# KiCad board panel2.kicad_pcb (continued)
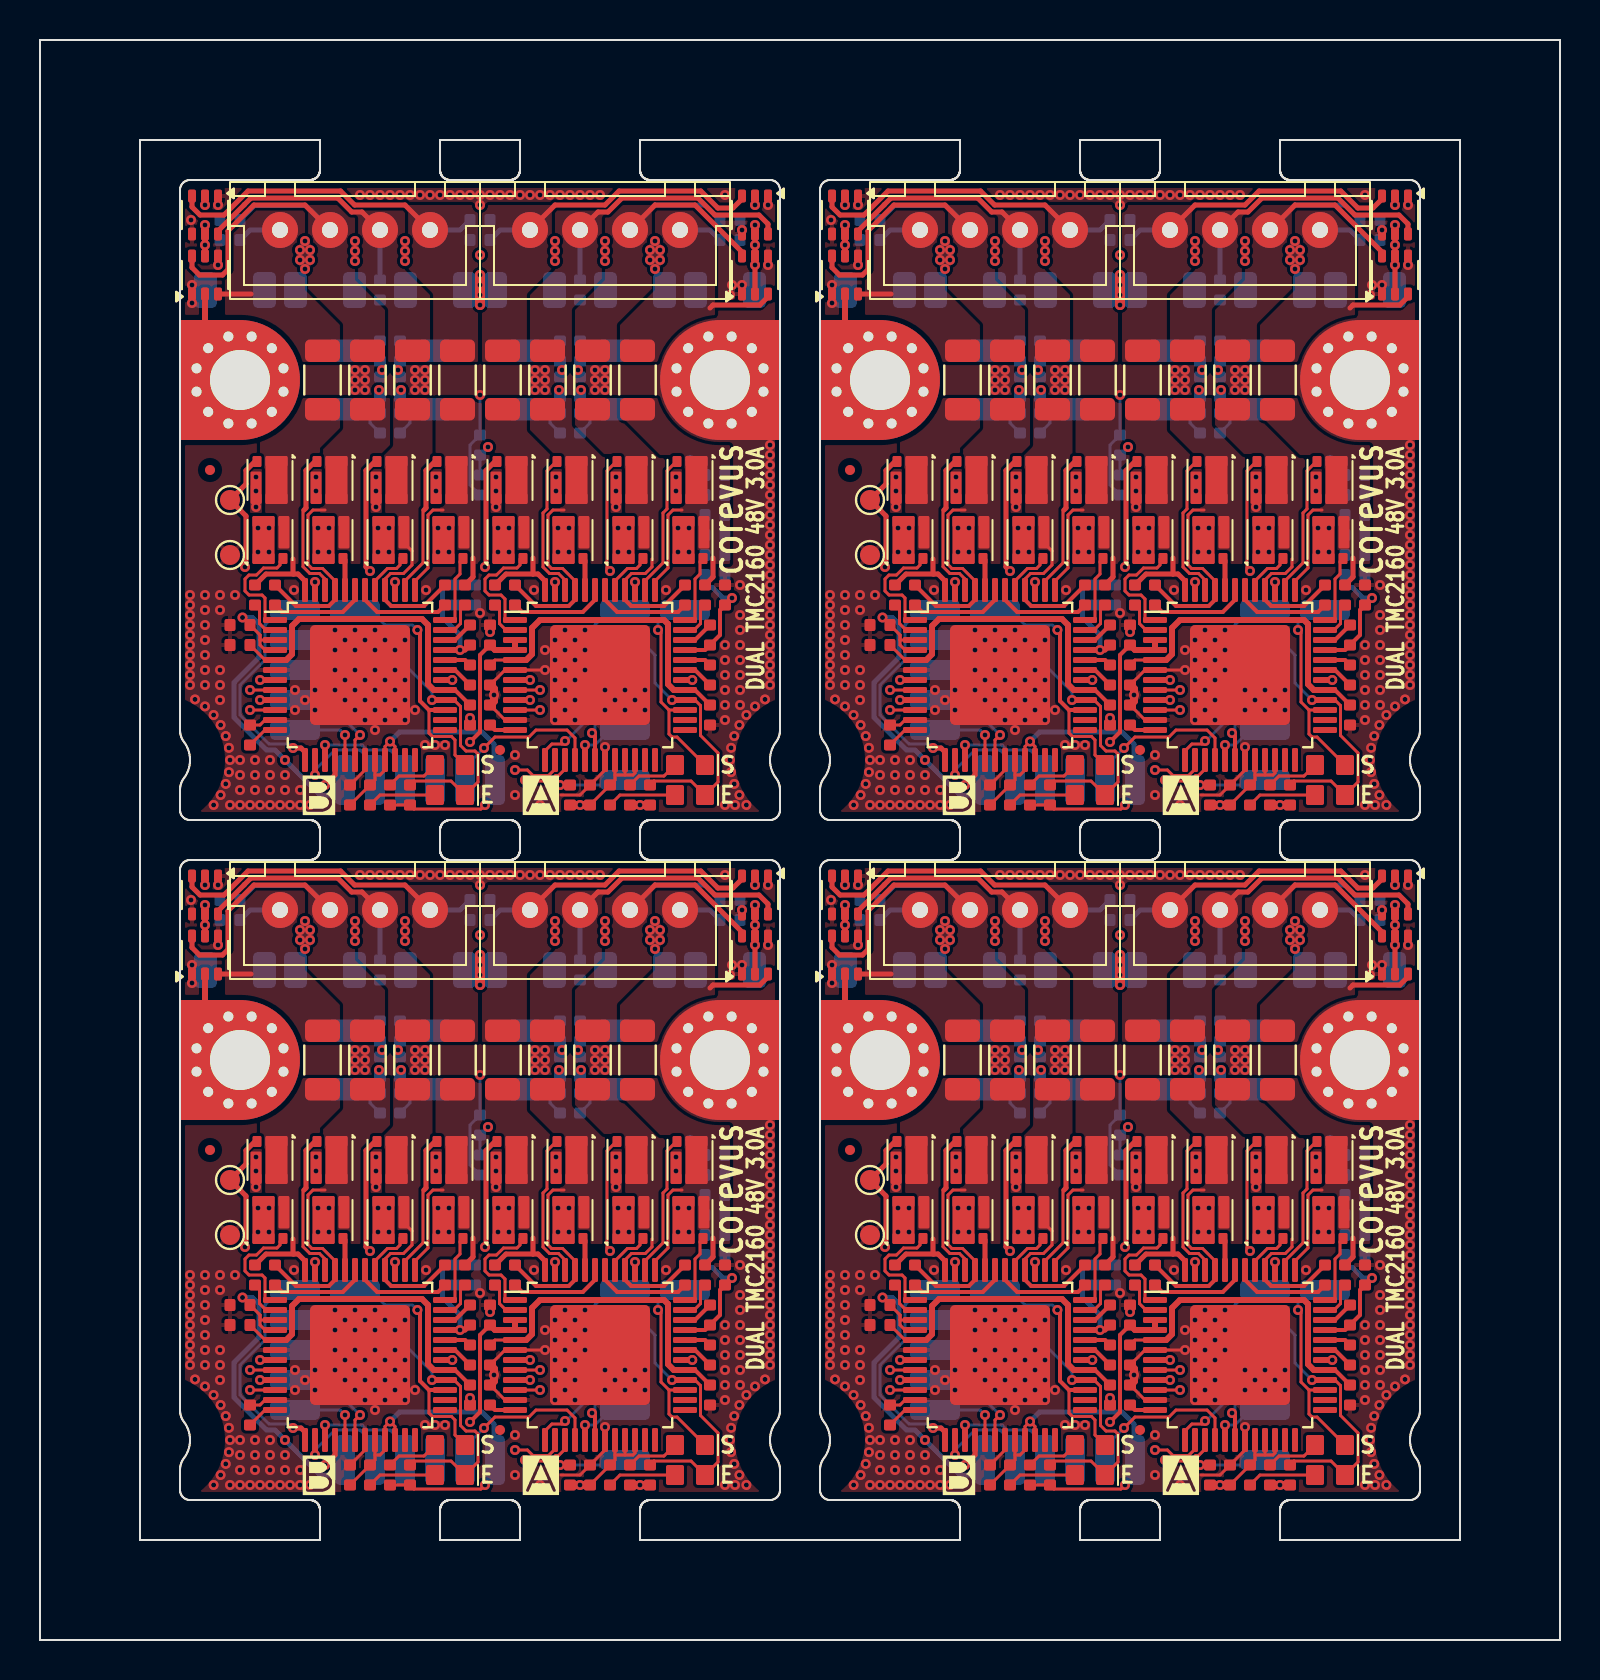
[diagram p0: board, top side]
## Routing (per net, layer and track width the routed paths; a pad name or vN(x,y) marks a point on that pad's centre or on a via; arc(x,y) is an arc through that point) (continued)
Board_3-Net-(D1-A): length 3.5
  Top w0.15: D1.2 61,8.25 R1#3.2
Board_3-Net-(D2-A): length 2.7
  Top w0.15: R16#4.2 61.95,9.2 63.2,9.2 D2#4.2
Board_3-Net-(D5-A): length 3.5
  Top w0.15: D5#2.2 49,8.25 R6.2
Board_3-Net-(D6-A): length 2.7
  Top w0.15: R7.2 49.95,9.2 51.2,9.2 D6#2.2
Board_3-Net-(NT1-Pad1): length 1.8
  Bottom w0.15: R8#4.1 57.5,26.85 57.5,27.7 NT1#2.1
Board_3-Net-(NT1-Pad2):
  vias: v1(54.8,24.15) v1(54.8,23.45) v1(54.8,22.65) v1(57.8,24.15) v1(57.8,23.45)
Board_3-Net-(NT2-Pad1): length 0.9
  Bottom w0.15: R9#2.1 57.5,30.45 NT2.1
Board_3-Net-(NT3-Pad1):
  vias: v1(60.8,24.15) v1(60.8,23.45) v1(60.8,22.65) v1(63.8,24.15) v1(63.8,23.45)
Board_3-Net-(NT3-Pad2): length 1.8
  Bottom w0.15: R11.1 59.5,26.85 59.5,27.7 NT3#2.2
Board_3-Net-(NT4-Pad2): length 0.9
  Bottom w0.15: NT4.2 59.5,30.45 R12#2.1
Board_3-Net-(NT5-Pad1): length 1.8
  Bottom w0.15: R14#3.1 48.5,26.85 48.5,27.7 NT5.1
Board_3-Net-(NT5-Pad2):
  vias: v1(42.8,24.15) v1(42.8,23.45) v1(42.8,22.65) v1(45.8,24.15) v1(45.8,23.45)
Board_3-Net-(NT6-Pad1): length 0.9
  Bottom w0.15: NT6#3.1 48.5,30.45 R15.1
Board_3-Net-(NT7-Pad1):
  vias: v1(48.8,24.15) v1(48.8,23.45) v1(48.8,22.65) v1(51.8,24.15) v1(51.8,23.45)
Board_3-Net-(NT7-Pad2): length 1.8
  Bottom w0.15: NT7#2.2 50.5,27.7 50.5,26.85 R19.1
Board_3-Net-(NT8-Pad2): length 0.9
  Bottom w0.15: NT8#4.2 50.5,30.45 R21#4.1
Board_3-Net-(U1-5VOUT): length 15.7
  Top w0.15: C4#2.2 54.75,15 U1.5
  Top w0.2: 64.75,13.5 C5#4.2
  Top w0.3: U1.5 56.31,15 56.6,15.29 56.6,16.6 57,17 63.2,17 63.4,16.8 63.4,13.79 63.69,13.5 U1.29
Board_3-Net-(U1-CA1): length 4.4
  Top w0.2: 60.25,18.01 60.86,17.4 63.9,17.4 C10#2.1
Board_3-Net-(U1-CA2): length 1.5
  Top w0.15: C11#4.1 65.03,17.53 65.03,16.82 64.71,16.5
Board_3-Net-(U1-CB1): length 1.5
  Top w0.15: 55.29,16.5 54.97,16.82 54.97,17.53 C8#4.1
Board_3-Net-(U1-CB2): length 4.4
  Top w0.2: 59.75,18.01 59.14,17.4 56.1,17.4 C9#2.1
Board_3-Net-(U1-CLK): length 1.4
  Top w0.2: U1.12 54.75,11.5 R3#2.1
Board_3-Net-(U1-CPI): length 1.4
  Top w0.2: C2#4.2 65.25,15 U1.32
Board_3-Net-(U1-CPO): length 1.1
  Top w0.2: 64.75,14.5 C2#4.1
Board_3-Net-(U1-VCP): length 1.1
  Top w0.2: 64.75,16 65.53,16.78
Board_3-Net-(U2-5VOUT): length 15.5
  Top w0.15: 43.25,15 C24#4.2
  Top w0.2: 52.75,13.5 C25.2
  Top w0.3: U2.5 44.31,15 44.6,15.29 44.6,16.7 44.95,17.05 51.1,17.05 51.4,16.75 51.4,13.79 51.69,13.5 U2.29
Board_3-Net-(U2-CA1): length 4.4
  Top w0.2: 48.25,18.01 48.86,17.4 51.9,17.4 C31#2.1
Board_3-Net-(U2-CA2): length 1.5
  Top w0.15: 52.71,16.5 53.03,16.82 53.03,17.53 C32#2.1
Board_3-Net-(U2-CB1): length 1.5
  Top w0.15: 43.29,16.5 42.97,16.82 42.97,17.53 C29#2.1
Board_3-Net-(U2-CB2): length 4.4
  Top w0.2: 47.75,18.01 47.14,17.4 44.1,17.4 C30.1
Board_3-Net-(U2-CLK): length 1.1
  Top w0.15: R5.1 43.25,11.5
Board_3-Net-(U2-CPI): length 1.4
  Top w0.2: U2.32 53.25,15 C23#4.2
Board_3-Net-(U2-CPO): length 1.1
  Top w0.2: 52.75,14.5 C23#4.1
Board_3-Net-(U2-VCP): length 1.1
  Top w0.2: 52.75,16 C22#4.1
Board_3-VCC: length 34.8
  Top w0.15: U2.22 49.75,10.67 v1(49.5,10.92) 49.25,10.67 U2.21 ; 48.75,9.25 48.75,9 R6.1 C26.2 ; 48.75,9.25 49,9.25 49.25,9.5 ; 48.75,9.25 U2.20 ; U1.21 61.25,9.25 ; 61.25,9.25 60.75,9.25 ; 61.25,9.25 61.65,9.25 61.75,9.35 U1.22 ; 60.75,9.25 60.75,9 R1#3.1 C3#3.2 v1(59,7.75) R20#3.2 ; 60.75,9.25 U1.20 ; v1(54.25,7.75) 54.05,7.55 50.7,7.55 R4#2.1 R7.1
  Top w0.4: R16#4.1 v1(62,7.75) R2#4.1 ; C3#3.2 R20#3.2
  In2.Cu w0.15: v1(62,7.75) v1(59,7.75) 57.75,7.75 57.32,8.17 56.68,8.17 56.25,7.75 v1(54.25,7.75)
  Bottom w0.15: v1(54.25,7.75) 54.75,8.25
  Bottom w0.25: v1(49.5,10.92) 49.97,11.4 54.1,11.4 54.7,10.8 54.7,9.05

## Copper pours and planes (outline as drawn; the poured copper is in the pictures)
Board_0-+48V on Top: 31.25,70.2 31.25,68.3 30.25,68.3 30.25,70.2
Board_0-+48V on Top: 13.75,70.2 13.75,68.3 12.75,68.3 12.75,70.2
Board_0-+48V on Bottom: 33.1,66.6 33.35,66.85 33.35,70.25 30.25,70.25 30.25,66.6
Board_0-+48V on Bottom: 10.9,66.6 13.75,66.6 13.75,70.25 10.65,70.25 10.65,66.85
Board_0-+48V on Bottom: 7,63 12.3,63 12.3,61.05 10.5,59.25 10.5,57.7 11.15,57.12 32.05,57.12 32.05,58.55 33.5,58.55 33.5,52.5 7,52.5
Board_0-+48V on Bottom: 23.35,66.5 23.35,68.5 20.65,68.5 20.65,66.5
Board_0-+48V on In2.Cu: 7,53.75 36.25,53.75 36.25,59.75 37,60 37,73 7,73
Board_0-/_{MA}A1 on Top: 31,59.25 31.25,59 31.25,53.8 29,53.8 29,59.25
Board_0-/_{MA}A1 on Top: 29,61.25 31.25,59 31.25,58.75 28.85,58.75 28.85,59.3 28.2,59.3 26.75,60.75 26.75,62.1 29,62.1
Board_0-/_{MA}A1' on Top: 28.25,71.75 30.75,71.75 30.75,67.5 29,65.75 29,63.9 26.75,63.9 26.75,66.5 28.25,68
Board_0-/_{MA}A2 on Top: 34.5,60 34.5,58.75 31.62,58.75 31.62,59.25 31,59.25 29,61.25 29,62.1 32.4,62.1
Board_0-/_{MA}A2 on Top: 34.5,59.25 34.5,53.8 32,53.8 32,59.25
Board_0-/_{MA}A2' on Top: 30.75,67.5 30.75,71.75 33.75,71.75 33.75,65.75 31.9,63.9 29,63.9 29,65.75
Board_0-/_{MA}B1 on Top: 25.5,59.25 25.5,53.8 23,53.8 23,59.25
Board_0-/_{MA}B1 on Top: 24.5,60.5 25.5,59.5 25.5,58.75 22.5,58.75 22.5,59.5 22.25,59.75 22.25,62.1 24.5,62.1
Board_0-/_{MA}B1' on Top: 22.1,71.75 25.75,71.75 25.75,68.5 24.5,67.25 24.5,63.9 22.1,63.9
Board_0-/_{MA}B2 on Top: 26.75,60.75 28.25,59.25 28.25,58.75 25.75,58.75 25.75,59.25 24.5,60.5 24.5,62.1 26.75,62.1
Board_0-/_{MA}B2 on Top: 28.25,59.25 28.25,53.8 26,53.8 26,59.25
Board_0-/_{MA}B2' on Top: 25.75,71.75 28.25,71.75 28.25,68 26.75,66.5 26.75,63.9 24.5,63.9 24.5,67.25 25.75,68.5
Board_0-/_{MB}A1 on Top: 19.5,59.25 19.5,53.8 17,53.8 17,59.25
Board_0-/_{MB}A1 on Top: 17.5,62.1 19.62,62.1 19.62,58.88 19.25,58.5 17,58.5 17,59.25 17.5,59.75
Board_0-/_{MB}A1' on Top: 18.25,71.75 15.75,71.75 15.75,68 17.25,66.5 17.25,63.9 19.5,63.9 19.5,67.25 18.25,68.5
Board_0-/_{MB}A2 on Top: 22.25,59.75 22.5,59.5 22.5,58.75 19.75,58.75 19.75,62.1 22.25,62.1
Board_0-/_{MB}A2 on Top: 22.5,59.25 22.5,53.8 20,53.8 20,59.25
Board_0-/_{MB}A2' on Top: 21.9,71.75 18.25,71.75 18.25,68.5 19.5,67.25 19.5,63.9 21.9,63.9
Board_0-/_{MB}B1 on Top: 13.5,59.25 13.5,53.8 11,53.8 11,59.25
Board_0-/_{MB}B1 on Top: 15,62.1 15,60.6 14,59.6 14,59.25 13.25,58.5 11,58.5 11,62.1
Board_0-/_{MB}B1' on Top: 13.25,67.5 13.25,71.75 10.75,71.75 9.25,70.25 9.25,66 11.35,63.9 15,63.9 15,65.75
Board_0-/_{MB}B2 on Top: 16.5,59.25 16.5,53.8 14,53.8 14,59.25
Board_0-/_{MB}B2 on Top: 15,62.1 17.5,62.1 17.5,59.75 16.25,58.5 14,58.5 14,59.6 15,60.6
Board_0-/_{MB}B2' on Top: 15.75,71.75 13.25,71.75 13.25,67.5 15,65.75 15,63.9 17.25,63.9 17.25,66.5 15.75,68
Board_0-GND on Top: 30,63.65 30,62.35 31.6,62.35 31.6,63.65
Board_0-GND on Top: 33.35,60.6 33.35,59.3 37,59.3 37,60.6
Board_0-GND on Top, Bottom: 37,41 37,73 7,73 7,41
Board_0-GND on In1.Cu, In2.Cu: 37,41 37,73 7,73 7,41
Board_0-GND on In2.Cu: 16.5,63.75 16.75,64 18.25,64 18.5,63.75 19.25,63.75 19.5,63.5 19.5,62.5 19.25,62.25 18.62,62.25 18.12,61.75 16.88,61.75 16.38,62.25 15.75,62.25 15.5,62.5 15.5,63.5 15.75,63.75
Board_0-GND on In2.Cu: 24.75,63.75 25.5,63.75 25.75,64 27.25,64 27.5,63.75 28.25,63.75 28.5,63.5 28.5,62.5 28.25,62.25 27.62,62.25 27.12,61.75 25.88,61.75 25.38,62.25 24.75,62.25 24.5,62.5 24.5,63.5
Board_0-Net-(NT1-Pad2) on Top: 26.1,56.8 26.1,58.55 25.5,58.55 25.5,56.8
Board_0-Net-(NT1-Pad2) on Top: 23.1,56.35 23.1,58.55 22.5,58.55 22.5,56.35
Board_0-Net-(NT1-Pad2) on Bottom: 22.25,56.62 22.5,56.38 23.12,56.38 23.88,57.12 26.75,57.12 26.75,60 26,60 26,62.1 22.25,62.1
Board_0-Net-(NT3-Pad1) on Top: 32.1,56.8 32.1,58.55 31.5,58.55 31.5,56.8
Board_0-Net-(NT3-Pad1) on Top: 29.1,56.35 29.1,58.55 28.5,58.55 28.5,56.35
Board_0-Net-(NT3-Pad1) on Bottom: 31.5,61.75 32.05,61.2 32.05,57.12 29.88,57.12 29.12,56.38 28.5,56.38 27.75,57.12 26.75,57.12 26.75,60.25 27.25,60.75 27.25,62.1 31.5,62.1
Board_0-Net-(NT5-Pad2) on Top: 14.1,56.8 14.1,58.55 13.5,58.55 13.5,56.8
Board_0-Net-(NT5-Pad2) on Top: 11.1,56.35 11.1,58.55 10.5,58.55 10.5,56.35
Board_0-Net-(NT5-Pad2) on Bottom: 12.3,60.8 10.5,59 10.5,56.38 11.12,56.38 11.88,57.12 16.5,57.12 16.5,62.1 12.3,62.1
Board_0-Net-(NT7-Pad1) on Top: 17.1,56.35 17.1,58.55 16.5,58.55 16.5,56.35
Board_0-Net-(NT7-Pad1) on Top: 20.1,56.8 20.1,58.55 19.5,58.55 19.5,56.8
Board_0-Net-(NT7-Pad1) on Bottom: 18,60 16.75,60 16.5,59.75 16.5,56.38 17.12,56.38 17.88,57.12 21.75,57.12 21.75,62.1 18,62.1
Board_1-+48V on Top: 45.75,70.2 45.75,68.3 44.75,68.3 44.75,70.2
Board_1-+48V on Top: 63.25,70.2 63.25,68.3 62.25,68.3 62.25,70.2
Board_1-+48V on Bottom: 42.9,66.6 45.75,66.6 45.75,70.25 42.65,70.25 42.65,66.85
Board_1-+48V on Bottom: 39,63 44.3,63 44.3,61.05 42.5,59.25 42.5,57.7 43.15,57.12 64.05,57.12 64.05,58.55 65.5,58.55 65.5,52.5 39,52.5
Board_1-+48V on Bottom: 65.1,66.6 65.35,66.85 65.35,70.25 62.25,70.25 62.25,66.6
Board_1-+48V on Bottom: 55.35,66.5 55.35,68.5 52.65,68.5 52.65,66.5
Board_1-+48V on In2.Cu: 39,53.75 68.25,53.75 68.25,59.75 69,60 69,73 39,73
Board_1-/_{MA}A1 on Top: 61,61.25 63.25,59 63.25,58.75 60.85,58.75 60.85,59.3 60.2,59.3 58.75,60.75 58.75,62.1 61,62.1
Board_1-/_{MA}A1 on Top: 63,59.25 63.25,59 63.25,53.8 61,53.8 61,59.25
Board_1-/_{MA}A1' on Top: 60.25,71.75 62.75,71.75 62.75,67.5 61,65.75 61,63.9 58.75,63.9 58.75,66.5 60.25,68
Board_1-/_{MA}A2 on Top: 66.5,60 66.5,58.75 63.62,58.75 63.62,59.25 63,59.25 61,61.25 61,62.1 64.4,62.1
Board_1-/_{MA}A2 on Top: 66.5,59.25 66.5,53.8 64,53.8 64,59.25
Board_1-/_{MA}A2' on Top: 62.75,67.5 62.75,71.75 65.75,71.75 65.75,65.75 63.9,63.9 61,63.9 61,65.75
Board_1-/_{MA}B1 on Top: 57.5,59.25 57.5,53.8 55,53.8 55,59.25
Board_1-/_{MA}B1 on Top: 56.5,60.5 57.5,59.5 57.5,58.75 54.5,58.75 54.5,59.5 54.25,59.75 54.25,62.1 56.5,62.1
Board_1-/_{MA}B1' on Top: 54.1,71.75 57.75,71.75 57.75,68.5 56.5,67.25 56.5,63.9 54.1,63.9
Board_1-/_{MA}B2 on Top: 58.75,60.75 60.25,59.25 60.25,58.75 57.75,58.75 57.75,59.25 56.5,60.5 56.5,62.1 58.75,62.1
Board_1-/_{MA}B2 on Top: 60.25,59.25 60.25,53.8 58,53.8 58,59.25
Board_1-/_{MA}B2' on Top: 57.75,71.75 60.25,71.75 60.25,68 58.75,66.5 58.75,63.9 56.5,63.9 56.5,67.25 57.75,68.5
Board_1-/_{MB}A1 on Top: 51.5,59.25 51.5,53.8 49,53.8 49,59.25
Board_1-/_{MB}A1 on Top: 49.5,62.1 51.62,62.1 51.62,58.88 51.25,58.5 49,58.5 49,59.25 49.5,59.75
Board_1-/_{MB}A1' on Top: 50.25,71.75 47.75,71.75 47.75,68 49.25,66.5 49.25,63.9 51.5,63.9 51.5,67.25 50.25,68.5
Board_1-/_{MB}A2 on Top: 54.25,59.75 54.5,59.5 54.5,58.75 51.75,58.75 51.75,62.1 54.25,62.1
Board_1-/_{MB}A2 on Top: 54.5,59.25 54.5,53.8 52,53.8 52,59.25
Board_1-/_{MB}A2' on Top: 53.9,71.75 50.25,71.75 50.25,68.5 51.5,67.25 51.5,63.9 53.9,63.9
Board_1-/_{MB}B1 on Top: 45.5,59.25 45.5,53.8 43,53.8 43,59.25
Board_1-/_{MB}B1 on Top: 47,62.1 47,60.6 46,59.6 46,59.25 45.25,58.5 43,58.5 43,62.1
Board_1-/_{MB}B1' on Top: 45.25,67.5 45.25,71.75 42.75,71.75 41.25,70.25 41.25,66 43.35,63.9 47,63.9 47,65.75
Board_1-/_{MB}B2 on Top: 48.5,59.25 48.5,53.8 46,53.8 46,59.25
Board_1-/_{MB}B2 on Top: 47,62.1 49.5,62.1 49.5,59.75 48.25,58.5 46,58.5 46,59.6 47,60.6
Board_1-/_{MB}B2' on Top: 47.75,71.75 45.25,71.75 45.25,67.5 47,65.75 47,63.9 49.25,63.9 49.25,66.5 47.75,68
Board_1-GND on Top: 65.35,60.6 65.35,59.3 69,59.3 69,60.6
Board_1-GND on Top: 62,63.65 62,62.35 63.6,62.35 63.6,63.65
Board_1-GND on Top, Bottom: 69,41 69,73 39,73 39,41
Board_1-GND on In1.Cu, In2.Cu: 69,41 69,73 39,73 39,41
Board_1-GND on In2.Cu: 56.75,63.75 57.5,63.75 57.75,64 59.25,64 59.5,63.75 60.25,63.75 60.5,63.5 60.5,62.5 60.25,62.25 59.62,62.25 59.12,61.75 57.88,61.75 57.38,62.25 56.75,62.25 56.5,62.5 56.5,63.5
Board_1-GND on In2.Cu: 48.5,63.75 48.75,64 50.25,64 50.5,63.75 51.25,63.75 51.5,63.5 51.5,62.5 51.25,62.25 50.62,62.25 50.12,61.75 48.88,61.75 48.38,62.25 47.75,62.25 47.5,62.5 47.5,63.5 47.75,63.75
Board_1-Net-(NT1-Pad2) on Top: 55.1,56.35 55.1,58.55 54.5,58.55 54.5,56.35
Board_1-Net-(NT1-Pad2) on Top: 58.1,56.8 58.1,58.55 57.5,58.55 57.5,56.8
Board_1-Net-(NT1-Pad2) on Bottom: 54.25,56.62 54.5,56.38 55.12,56.38 55.88,57.12 58.75,57.12 58.75,60 58,60 58,62.1 54.25,62.1
Board_1-Net-(NT3-Pad1) on Top: 64.1,56.8 64.1,58.55 63.5,58.55 63.5,56.8
Board_1-Net-(NT3-Pad1) on Top: 61.1,56.35 61.1,58.55 60.5,58.55 60.5,56.35
Board_1-Net-(NT3-Pad1) on Bottom: 63.5,61.75 64.05,61.2 64.05,57.12 61.88,57.12 61.12,56.38 60.5,56.38 59.75,57.12 58.75,57.12 58.75,60.25 59.25,60.75 59.25,62.1 63.5,62.1
Board_1-Net-(NT5-Pad2) on Top: 46.1,56.8 46.1,58.55 45.5,58.55 45.5,56.8
Board_1-Net-(NT5-Pad2) on Top: 43.1,56.35 43.1,58.55 42.5,58.55 42.5,56.35
Board_1-Net-(NT5-Pad2) on Bottom: 44.3,60.8 42.5,59 42.5,56.38 43.12,56.38 43.88,57.12 48.5,57.12 48.5,62.1 44.3,62.1
Board_1-Net-(NT7-Pad1) on Top: 52.1,56.8 52.1,58.55 51.5,58.55 51.5,56.8
Board_1-Net-(NT7-Pad1) on Top: 49.1,56.35 49.1,58.55 48.5,58.55 48.5,56.35
Board_1-Net-(NT7-Pad1) on Bottom: 50,60 48.75,60 48.5,59.75 48.5,56.38 49.12,56.38 49.88,57.12 53.75,57.12 53.75,62.1 50,62.1
Board_2-+48V on Top: 31.25,36.2 31.25,34.3 30.25,34.3 30.25,36.2
Board_2-+48V on Top: 13.75,36.2 13.75,34.3 12.75,34.3 12.75,36.2
Board_2-+48V on Bottom: 33.1,32.6 33.35,32.85 33.35,36.25 30.25,36.25 30.25,32.6
Board_2-+48V on Bottom: 7,29 12.3,29 12.3,27.05 10.5,25.25 10.5,23.7 11.15,23.12 32.05,23.12 32.05,24.55 33.5,24.55 33.5,18.5 7,18.5
Board_2-+48V on Bottom: 10.9,32.6 13.75,32.6 13.75,36.25 10.65,36.25 10.65,32.85
Board_2-+48V on Bottom: 23.35,32.5 23.35,34.5 20.65,34.5 20.65,32.5
Board_2-+48V on In2.Cu: 7,19.75 36.25,19.75 36.25,25.75 37,26 37,39 7,39
Board_2-/_{MA}A1 on Top: 31,25.25 31.25,25 31.25,19.8 29,19.8 29,25.25
Board_2-/_{MA}A1 on Top: 29,27.25 31.25,25 31.25,24.75 28.85,24.75 28.85,25.3 28.2,25.3 26.75,26.75 26.75,28.1 29,28.1
Board_2-/_{MA}A1' on Top: 28.25,37.75 30.75,37.75 30.75,33.5 29,31.75 29,29.9 26.75,29.9 26.75,32.5 28.25,34
Board_2-/_{MA}A2 on Top: 34.5,26 34.5,24.75 31.62,24.75 31.62,25.25 31,25.25 29,27.25 29,28.1 32.4,28.1
Board_2-/_{MA}A2 on Top: 34.5,25.25 34.5,19.8 32,19.8 32,25.25
Board_2-/_{MA}A2' on Top: 30.75,33.5 30.75,37.75 33.75,37.75 33.75,31.75 31.9,29.9 29,29.9 29,31.75
Board_2-/_{MA}B1 on Top: 24.5,26.5 25.5,25.5 25.5,24.75 22.5,24.75 22.5,25.5 22.25,25.75 22.25,28.1 24.5,28.1
Board_2-/_{MA}B1 on Top: 25.5,25.25 25.5,19.8 23,19.8 23,25.25
Board_2-/_{MA}B1' on Top: 22.1,37.75 25.75,37.75 25.75,34.5 24.5,33.25 24.5,29.9 22.1,29.9
Board_2-/_{MA}B2 on Top: 28.25,25.25 28.25,19.8 26,19.8 26,25.25
Board_2-/_{MA}B2 on Top: 26.75,26.75 28.25,25.25 28.25,24.75 25.75,24.75 25.75,25.25 24.5,26.5 24.5,28.1 26.75,28.1
Board_2-/_{MA}B2' on Top: 25.75,37.75 28.25,37.75 28.25,34 26.75,32.5 26.75,29.9 24.5,29.9 24.5,33.25 25.75,34.5
Board_2-/_{MB}A1 on Top: 19.5,25.25 19.5,19.8 17,19.8 17,25.25
Board_2-/_{MB}A1 on Top: 17.5,28.1 19.62,28.1 19.62,24.88 19.25,24.5 17,24.5 17,25.25 17.5,25.75
Board_2-/_{MB}A1' on Top: 18.25,37.75 15.75,37.75 15.75,34 17.25,32.5 17.25,29.9 19.5,29.9 19.5,33.25 18.25,34.5
Board_2-/_{MB}A2 on Top: 22.5,25.25 22.5,19.8 20,19.8 20,25.25
Board_2-/_{MB}A2 on Top: 22.25,25.75 22.5,25.5 22.5,24.75 19.75,24.75 19.75,28.1 22.25,28.1
Board_2-/_{MB}A2' on Top: 21.9,37.75 18.25,37.75 18.25,34.5 19.5,33.25 19.5,29.9 21.9,29.9
Board_2-/_{MB}B1 on Top: 15,28.1 15,26.6 14,25.6 14,25.25 13.25,24.5 11,24.5 11,28.1
Board_2-/_{MB}B1 on Top: 13.5,25.25 13.5,19.8 11,19.8 11,25.25
Board_2-/_{MB}B1' on Top: 13.25,33.5 13.25,37.75 10.75,37.75 9.25,36.25 9.25,32 11.35,29.9 15,29.9 15,31.75
Board_2-/_{MB}B2 on Top: 15,28.1 17.5,28.1 17.5,25.75 16.25,24.5 14,24.5 14,25.6 15,26.6
Board_2-/_{MB}B2 on Top: 16.5,25.25 16.5,19.8 14,19.8 14,25.25
Board_2-/_{MB}B2' on Top: 15.75,37.75 13.25,37.75 13.25,33.5 15,31.75 15,29.9 17.25,29.9 17.25,32.5 15.75,34
Board_2-GND on Top: 30,29.65 30,28.35 31.6,28.35 31.6,29.65
Board_2-GND on Top: 33.35,26.6 33.35,25.3 37,25.3 37,26.6
Board_2-GND on Top, Bottom: 37,7 37,39 7,39 7,7
Board_2-GND on In1.Cu, In2.Cu: 37,7 37,39 7,39 7,7
Board_2-GND on In2.Cu: 24.75,29.75 25.5,29.75 25.75,30 27.25,30 27.5,29.75 28.25,29.75 28.5,29.5 28.5,28.5 28.25,28.25 27.62,28.25 27.12,27.75 25.88,27.75 25.38,28.25 24.75,28.25 24.5,28.5 24.5,29.5
Board_2-GND on In2.Cu: 16.5,29.75 16.75,30 18.25,30 18.5,29.75 19.25,29.75 19.5,29.5 19.5,28.5 19.25,28.25 18.62,28.25 18.12,27.75 16.88,27.75 16.38,28.25 15.75,28.25 15.5,28.5 15.5,29.5 15.75,29.75
Board_2-Net-(NT1-Pad2) on Top: 23.1,22.35 23.1,24.55 22.5,24.55 22.5,22.35
Board_2-Net-(NT1-Pad2) on Top: 26.1,22.8 26.1,24.55 25.5,24.55 25.5,22.8
Board_2-Net-(NT1-Pad2) on Bottom: 22.25,22.62 22.5,22.38 23.12,22.38 23.88,23.12 26.75,23.12 26.75,26 26,26 26,28.1 22.25,28.1
Board_2-Net-(NT3-Pad1) on Top: 29.1,22.35 29.1,24.55 28.5,24.55 28.5,22.35
Board_2-Net-(NT3-Pad1) on Top: 32.1,22.8 32.1,24.55 31.5,24.55 31.5,22.8
Board_2-Net-(NT3-Pad1) on Bottom: 31.5,27.75 32.05,27.2 32.05,23.12 29.88,23.12 29.12,22.38 28.5,22.38 27.75,23.12 26.75,23.12 26.75,26.25 27.25,26.75 27.25,28.1 31.5,28.1
Board_2-Net-(NT5-Pad2) on Top: 14.1,22.8 14.1,24.55 13.5,24.55 13.5,22.8
Board_2-Net-(NT5-Pad2) on Top: 11.1,22.35 11.1,24.55 10.5,24.55 10.5,22.35
Board_2-Net-(NT5-Pad2) on Bottom: 12.3,26.8 10.5,25 10.5,22.38 11.12,22.38 11.88,23.12 16.5,23.12 16.5,28.1 12.3,28.1
Board_2-Net-(NT7-Pad1) on Top: 20.1,22.8 20.1,24.55 19.5,24.55 19.5,22.8
Board_2-Net-(NT7-Pad1) on Top: 17.1,22.35 17.1,24.55 16.5,24.55 16.5,22.35
Board_2-Net-(NT7-Pad1) on Bottom: 18,26 16.75,26 16.5,25.75 16.5,22.38 17.12,22.38 17.88,23.12 21.75,23.12 21.75,28.1 18,28.1
Board_3-+48V on Top: 45.75,36.2 45.75,34.3 44.75,34.3 44.75,36.2
Board_3-+48V on Top: 63.25,36.2 63.25,34.3 62.25,34.3 62.25,36.2
Board_3-+48V on Bottom: 42.9,32.6 45.75,32.6 45.75,36.25 42.65,36.25 42.65,32.85
Board_3-+48V on Bottom: 55.35,32.5 55.35,34.5 52.65,34.5 52.65,32.5
Board_3-+48V on Bottom: 39,29 44.3,29 44.3,27.05 42.5,25.25 42.5,23.7 43.15,23.12 64.05,23.12 64.05,24.55 65.5,24.55 65.5,18.5 39,18.5
Board_3-+48V on Bottom: 65.1,32.6 65.35,32.85 65.35,36.25 62.25,36.25 62.25,32.6
Board_3-+48V on In2.Cu: 39,19.75 68.25,19.75 68.25,25.75 69,26 69,39 39,39
Board_3-/_{MA}A1 on Top: 63,25.25 63.25,25 63.25,19.8 61,19.8 61,25.25
Board_3-/_{MA}A1 on Top: 61,27.25 63.25,25 63.25,24.75 60.85,24.75 60.85,25.3 60.2,25.3 58.75,26.75 58.75,28.1 61,28.1
Board_3-/_{MA}A1' on Top: 60.25,37.75 62.75,37.75 62.75,33.5 61,31.75 61,29.9 58.75,29.9 58.75,32.5 60.25,34
Board_3-/_{MA}A2 on Top: 66.5,26 66.5,24.75 63.62,24.75 63.62,25.25 63,25.25 61,27.25 61,28.1 64.4,28.1
Board_3-/_{MA}A2 on Top: 66.5,25.25 66.5,19.8 64,19.8 64,25.25
Board_3-/_{MA}A2' on Top: 62.75,33.5 62.75,37.75 65.75,37.75 65.75,31.75 63.9,29.9 61,29.9 61,31.75
Board_3-/_{MA}B1 on Top: 56.5,26.5 57.5,25.5 57.5,24.75 54.5,24.75 54.5,25.5 54.25,25.75 54.25,28.1 56.5,28.1
Board_3-/_{MA}B1 on Top: 57.5,25.25 57.5,19.8 55,19.8 55,25.25
Board_3-/_{MA}B1' on Top: 54.1,37.75 57.75,37.75 57.75,34.5 56.5,33.25 56.5,29.9 54.1,29.9
Board_3-/_{MA}B2 on Top: 58.75,26.75 60.25,25.25 60.25,24.75 57.75,24.75 57.75,25.25 56.5,26.5 56.5,28.1 58.75,28.1
Board_3-/_{MA}B2 on Top: 60.25,25.25 60.25,19.8 58,19.8 58,25.25
Board_3-/_{MA}B2' on Top: 57.75,37.75 60.25,37.75 60.25,34 58.75,32.5 58.75,29.9 56.5,29.9 56.5,33.25 57.75,34.5
Board_3-/_{MB}A1 on Top: 51.5,25.25 51.5,19.8 49,19.8 49,25.25
Board_3-/_{MB}A1 on Top: 49.5,28.1 51.62,28.1 51.62,24.88 51.25,24.5 49,24.5 49,25.25 49.5,25.75
Board_3-/_{MB}A1' on Top: 50.25,37.75 47.75,37.75 47.75,34 49.25,32.5 49.25,29.9 51.5,29.9 51.5,33.25 50.25,34.5
Board_3-/_{MB}A2 on Top: 54.5,25.25 54.5,19.8 52,19.8 52,25.25
Board_3-/_{MB}A2 on Top: 54.25,25.75 54.5,25.5 54.5,24.75 51.75,24.75 51.75,28.1 54.25,28.1
Board_3-/_{MB}A2' on Top: 53.9,37.75 50.25,37.75 50.25,34.5 51.5,33.25 51.5,29.9 53.9,29.9
Board_3-/_{MB}B1 on Top: 47,28.1 47,26.6 46,25.6 46,25.25 45.25,24.5 43,24.5 43,28.1
Board_3-/_{MB}B1 on Top: 45.5,25.25 45.5,19.8 43,19.8 43,25.25
Board_3-/_{MB}B1' on Top: 45.25,33.5 45.25,37.75 42.75,37.75 41.25,36.25 41.25,32 43.35,29.9 47,29.9 47,31.75
Board_3-/_{MB}B2 on Top: 47,28.1 49.5,28.1 49.5,25.75 48.25,24.5 46,24.5 46,25.6 47,26.6
Board_3-/_{MB}B2 on Top: 48.5,25.25 48.5,19.8 46,19.8 46,25.25
Board_3-/_{MB}B2' on Top: 47.75,37.75 45.25,37.75 45.25,33.5 47,31.75 47,29.9 49.25,29.9 49.25,32.5 47.75,34
Board_3-GND on Top: 62,29.65 62,28.35 63.6,28.35 63.6,29.65
Board_3-GND on Top: 65.35,26.6 65.35,25.3 69,25.3 69,26.6
Board_3-GND on Top, Bottom: 69,7 69,39 39,39 39,7
Board_3-GND on In1.Cu, In2.Cu: 69,7 69,39 39,39 39,7
Board_3-GND on In2.Cu: 56.75,29.75 57.5,29.75 57.75,30 59.25,30 59.5,29.75 60.25,29.75 60.5,29.5 60.5,28.5 60.25,28.25 59.62,28.25 59.12,27.75 57.88,27.75 57.38,28.25 56.75,28.25 56.5,28.5 56.5,29.5
Board_3-GND on In2.Cu: 48.5,29.75 48.75,30 50.25,30 50.5,29.75 51.25,29.75 51.5,29.5 51.5,28.5 51.25,28.25 50.62,28.25 50.12,27.75 48.88,27.75 48.38,28.25 47.75,28.25 47.5,28.5 47.5,29.5 47.75,29.75
Board_3-Net-(NT1-Pad2) on Top: 58.1,22.8 58.1,24.55 57.5,24.55 57.5,22.8
Board_3-Net-(NT1-Pad2) on Top: 55.1,22.35 55.1,24.55 54.5,24.55 54.5,22.35
Board_3-Net-(NT1-Pad2) on Bottom: 54.25,22.62 54.5,22.38 55.12,22.38 55.88,23.12 58.75,23.12 58.75,26 58,26 58,28.1 54.25,28.1
Board_3-Net-(NT3-Pad1) on Top: 61.1,22.35 61.1,24.55 60.5,24.55 60.5,22.35
Board_3-Net-(NT3-Pad1) on Top: 64.1,22.8 64.1,24.55 63.5,24.55 63.5,22.8
Board_3-Net-(NT3-Pad1) on Bottom: 63.5,27.75 64.05,27.2 64.05,23.12 61.88,23.12 61.12,22.38 60.5,22.38 59.75,23.12 58.75,23.12 58.75,26.25 59.25,26.75 59.25,28.1 63.5,28.1
Board_3-Net-(NT5-Pad2) on Top: 46.1,22.8 46.1,24.55 45.5,24.55 45.5,22.8
Board_3-Net-(NT5-Pad2) on Top: 43.1,22.35 43.1,24.55 42.5,24.55 42.5,22.35
Board_3-Net-(NT5-Pad2) on Bottom: 44.3,26.8 42.5,25 42.5,22.38 43.12,22.38 43.88,23.12 48.5,23.12 48.5,28.1 44.3,28.1
Board_3-Net-(NT7-Pad1) on Top: 49.1,22.35 49.1,24.55 48.5,24.55 48.5,22.35
Board_3-Net-(NT7-Pad1) on Top: 52.1,22.8 52.1,24.55 51.5,24.55 51.5,22.8
Board_3-Net-(NT7-Pad1) on Bottom: 50,26 48.75,26 48.5,25.75 48.5,22.38 49.12,22.38 49.88,23.12 53.75,23.12 53.75,28.1 50,28.1

## Text on the board
B.Silkscreen: 12V | SCLK | MOSI | GND | MISO | 3V3 | CS | EN | DIR | STEP | THERM | MERIDI ENGINEERING DEC 2024 / DUAL TMC2160 STEPPER DRIVER MODULE / 48V MAX 3.0A MAX PER DRIVER | STALL | B | A
User.Comments: V-CUT
F.Silkscreen: DUAL TMC2160 48V 3.0A | S | E | corevus | B | A
